# Altium PCB cat.PcbDoc (part 2 of 3)
Units mm, origin at the board's own origin, x right, y up, seen from the top; angles counter-clockwise.
Board outline 65 x 116 mm, 4 copper layers (Top Layer, Layer 2, Layer 3, Bottom Layer), stack 1.518 mm thick; 236 components, 164 nets, 890 pads, 231 vias.
Unrouted connection lines stored in the file: 330.
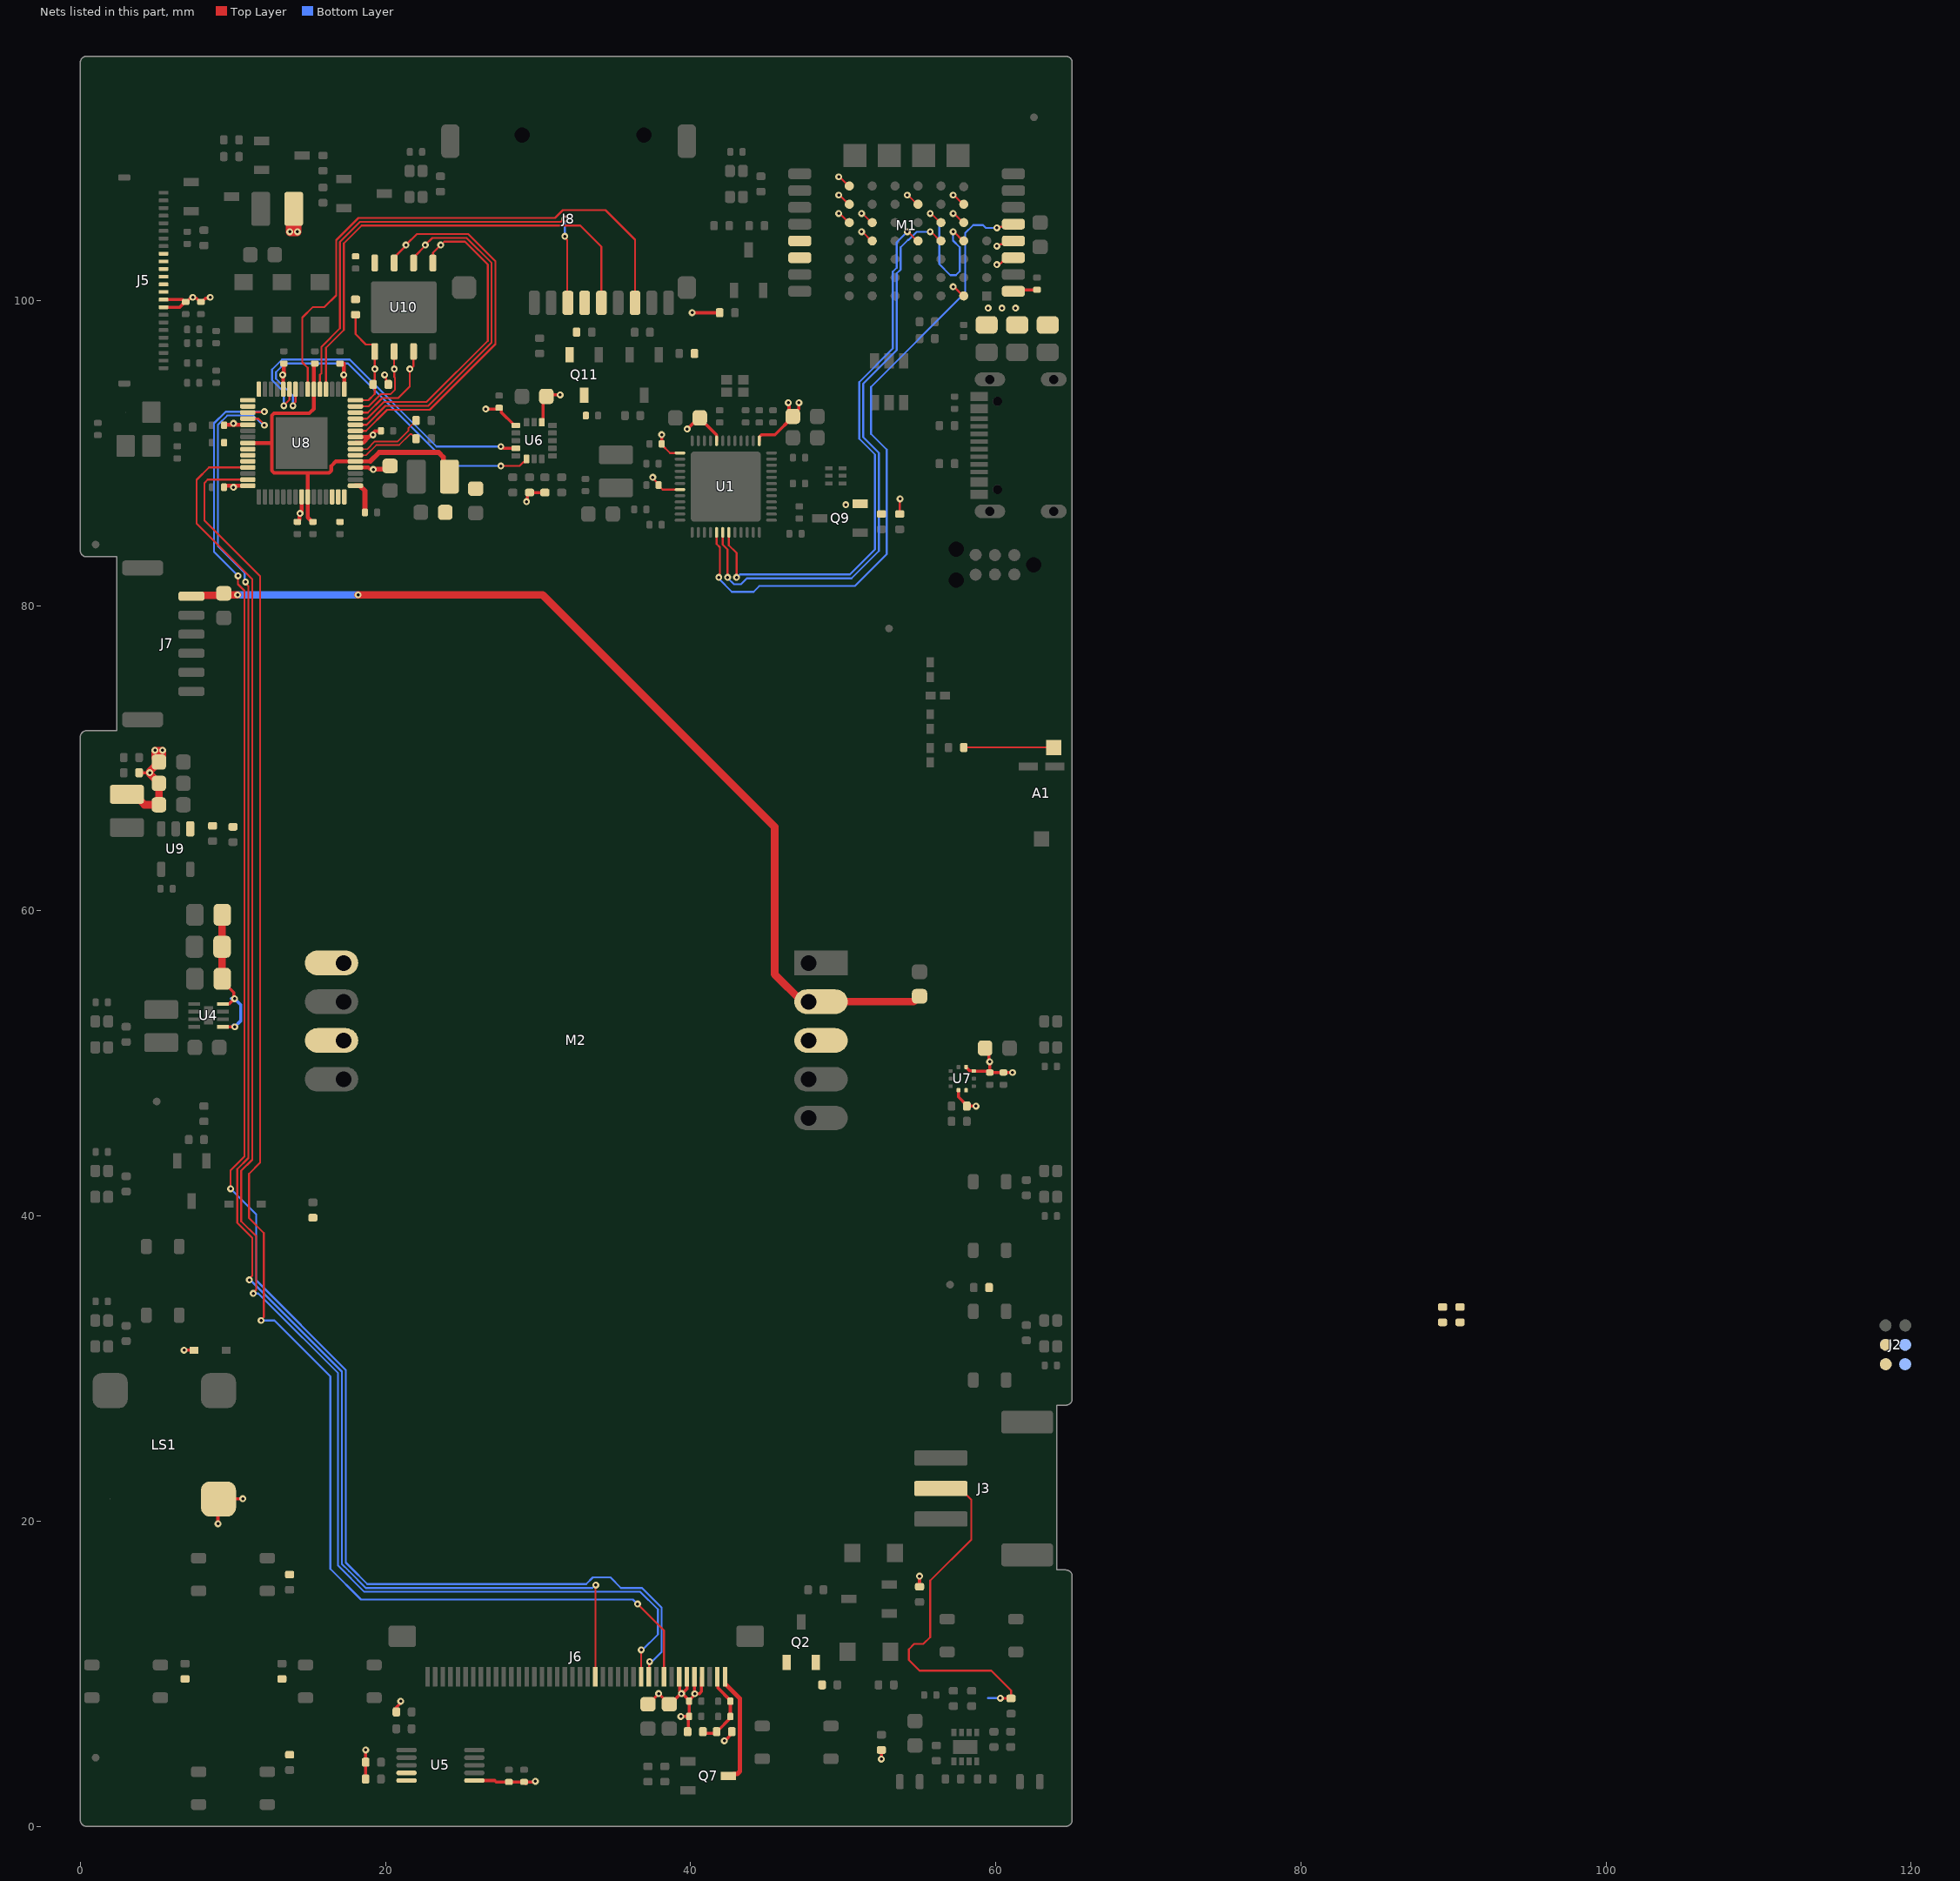
[diagram p4: the nets of this part, all layers, seen from the top]

## Part data (continued)
C1 C68: "27 pF, 25 V, X7R, 0402 Chip capacitor", Case Code (Imperial)=0402, Case Code (Metric)=1005, Dielectric=C0G, Manufacturer=Yageo, Max Operating Temperature=125°C, Min Operating Temperature=-55°C, Package Quantity=1, Supplier Part Number 1=9741513, Tolerance=5%, Voltage Rating=50V, Case/Package=0402, Category="Ceramic Capacitors", ComponentLink1Description=https://datasheet.ciiva.com/26862/getdatasheetpartid-403452-26862597.pdf?src-supplier=Verical, ComponentLink1URL=https://datasheet.ciiva.com/26862/getdatasheetpartid-403452-26862597.pdf?src-supplier=Verical, ComponentLink2Description=https://datasheet.ciiva.com/28450/1443161-28450249.pdf?src-supplier=Element14, ComponentLink2URL=https://datasheet.ciiva.com/28450/1443161-28450249.pdf?src-supplier=Element14, ComponentLink3Description=https://datasheet.ciiva.com/176/mlccorderingcode-176355.pdf?src-supplier=Digikey, ComponentLink3URL=https://datasheet.ciiva.com/176/mlccorderingcode-176355.pdf?src-supplier=Digikey, ComponentLink4Description=https://datasheet.ciiva.com/176/mlccorderingcode-176354.pdf?src-supplier=Digikey, ComponentLink4URL=https://datasheet.ciiva.com/176/mlccorderingcode-176354.pdf?src-supplier=Digikey, ComponentLink5Description=https://datasheet.ciiva.com/176/mlccorderingcode-176356.pdf?src-supplier=Digikey, ComponentLink5URL=https://datasheet.ciiva.com/176/mlccorderingcode-176356.pdf?src-supplier=Digikey, ComponentLink6Description=https://datasheet.ciiva.com/13386/upy-gp-np0-16v-to-50v-8-13386281.pdf?src-supplier=Mouser, ComponentLink6URL=https://datasheet.ciiva.com/13386/upy-gp-np0-16v-to-50v-8-13386281.pdf?src-supplier=Mouser, Depth=0.5mm, house_part_number=C-27pF-0402-002, Lead Free="Lead Free", Length=1mm, Manufacturer Part Number=CC0402JRNPO9BN270, Mounting Technology="Surface Mount", Packaging="Tape and Reel", Pins=2, Pricing="10000=0.0024, 40000=0.0022, 150000=0.0021, 400000=0.002, 1000000=0.0019 (USD)", Radiation Hardening=No, Reach SVHC Compliant=No, RoHS=Yes, RoHS Compliant=Yes, Series=CC, Stock=1230000, Supplier 1="Future Electronics", Termination=SMD/SMT, Thickness=0.022inch, Voltage Rating (DC)=50V, Width=0.02inch
C2 C4: "100 nF, 25 V, X7R, 0402 Chip capacitor", Capacitance=100nF, Case Code (Imperial)=0402, Case Code (Metric)=1005, Dielectric=X7R, Dielectric Material=Ceramic, Manufacturer=Murata, Max Operating Temperature=125°C, Min Operating Temperature=-55°C, Package Quantity=10000, Supplier Part Number 1=490-10698-1-ND, Tolerance=10%, Voltage Rating=25V, Case/Package=0402, Category="Ceramic Capacitors", ComponentLink1Description=http://www.farnell.com/datasheets/1872206.pdf?src-supplier=Farnell, ComponentLink1URL=http://www.farnell.com/datasheets/1872206.pdf?src-supplier=Farnell, ComponentLink2Description=http://components.arrow.com/part/dataview/0323_06361249?src-supplier=Arrow+Europe, ComponentLink2URL=http://components.arrow.com/part/dataview/0323_06361249?src-supplier=Arrow+Europe, ComponentLink3Description=http://uk.rs-online.com/webdocs/144c/0900766b8144c113.pdf?src-supplier=RSComponents, ComponentLink3URL=http://uk.rs-online.com/webdocs/144c/0900766b8144c113.pdf?src-supplier=RSComponents, ComponentLink4Description=http://www.farnell.com/datasheets/2048008.pdf?src-supplier=Farnell, ComponentLink4URL=http://www.farnell.com/datasheets/2048008.pdf?src-supplier=Farnell, ComponentLink5Description=http://www.mouser.com/ds/2/281/c02e-2905.pdf?src-supplier=Mouser, ComponentLink5URL=http://www.mouser.com/ds/2/281/c02e-2905.pdf?src-supplier=Mouser, ComponentLink6Description=http://www.farnell.com/datasheets/2048008.pdf?src-supplier=Newark, ComponentLink6URL=http://www.farnell.com/datasheets/2048008.pdf?src-supplier=Newark, ComponentLink7Description=https://search.murata.co.jp/Ceramy/image/img/A01X/G101/ENG/GRM155R71E104KE14-01.pdf?src-supplier=Digi-Key, ComponentLink7URL=https://search.murata.co.jp/Ceramy/image/img/A01X/G101/ENG/GRM155R71E104KE14-01.pdf?src-supplier=Digi-Key, ComponentLink8Description=http://www.farnell.com/datasheets/2048008.pdf?src-supplier=Element14, ComponentLink8URL=http://www.farnell.com/datasheets/2048008.pdf?src-supplier=Element14, ComponentLink9Description=http://psearch.en.murata.com/capacitor/product/GRM155R71E104KE14%23.pdf?src-supplier=Avnet, ComponentLink9URL=http://psearch.en.murata.com/capacitor/product/GRM155R71E104KE14%23.pdf?src-supplier=Avnet, Depth=0.5mm, Height=0.5mm, house_part_number=C-100nF-0402-002, Lead Free="Lead Free", Length=1mm, Manufacturer Part Number=GRM155R71E104KE14D, Mount="Surface Mount", Packaging="Tape and Reel", Pricing 1="1=0.10000, 10=0.02700, 50=0.01460, 100=0.01190, 500=0.00848, 1000=0.00666, 2500=0.00605, 5000=0.00557 (USD)", REACH SVHC=Unknown, Resistor Type=Ceramic, RoHS=Yes, RoHS Compliant=Yes, Supplier 1=Digi-Key, Termination=SMD/SMT, Thickness=0.022inch, Voltage Rating (DC)=25V, Weight=0.000212oz, Width=0.02inch
C3 C6 C7 C65 C66 C67: "22 μF, 25 V, X5R, 0805 Chip capacitor", Capacitor Type=Ceramic, Case/Package=0805, Manufacturer=Murata, Max Operating Temperature=85°C, Min Operating Temperature=-55°C, Package Shape=Rectangular, Rated DC Voltage (URdc)=25V, Supplier Part Number 1=490-12389-1-ND, Temperature Characteristics Code=X5R, Tolerance  (fill in as +-)=20%, Category="Ceramic Capacitors", ComponentLink1Description=https://datasheet.ciiva.com:443/pdfs/VipMasterIC/IC/MURE/MURE-S-A0004410517/MURE-S-A0004413512-1.pdf?src-supplier=IHS+Markit, ComponentLink1URL=https://datasheet.ciiva.com:443/pdfs/VipMasterIC/IC/MURE/MURE-S-A0004410517/MURE-S-A0004413512-1.pdf?src-supplier=IHS+Markit, ComponentLink2Description=http://search.murata.co.jp/Ceramy/image/img/A01X/G101/ENG/GRT21BR61E226ME13-01.pdf?src-supplier=Digi-Key, ComponentLink2URL=http://search.murata.co.jp/Ceramy/image/img/A01X/G101/ENG/GRT21BR61E226ME13-01.pdf?src-supplier=Digi-Key, Dielectric Material=Ceramic, JESD-609 Code=e3, Manufacturer Part Number=GRT21BR61E226ME13L, Mounting Technology="Surface Mount", Multilayer=Yes, Packaging="Tape and Reel", Pins=2, Pricing 1="1=0.48, 10=0.338, 50=0.2558, 100=0.2228, 500=0.16508, 1000=0.14031 (USD)", Reach SVHC Compliant=Yes, Reference Standard=AEC-Q200, RoHS=Yes, RoHS Compliant=Yes, Stock 1=1983731, Supplier 1=Digi-Key, Terminal Finish=Nickel, Termination=Wraparound, Tolerance (fill in as +-)=20%
C5 C11 C25 C26 C40 C41 C42 C44 C45 C69 C70 C72 C81 C84: "10 µF, 25 V, X5R, 0603 Chip capacitor", Case Code (Imperial)=0603, Case Code (Metric)=1608, Manufacturer=Samsung, Max Operating Temperature=85°C, Min Operating Temperature=-55°C, Tolerance=20%, Voltage Rating=25V, Case/Package=0603, Category="Ceramic Capacitors", ComponentLink1Description=https://datasheet.ciiva.com/25766/cl10a106ma8nrnc-25766562.pdf?src-supplier=Digikey, ComponentLink1URL=https://datasheet.ciiva.com/25766/cl10a106ma8nrnc-25766562.pdf?src-supplier=Digikey, Height=900um, house_part_number=C-10uF-0603-002, Lead Free="Lead Free", Manufacturer Part Number=CL10A106MA8NRNC, Material=4241ConductorMaterial, Mounting Technology="Surface Mount", Packaging="Cut Tape", Pricing="4000=0.0511, 8000=0.046, 12000=0.0434, 28000=0.0413, 100000=0.0356 (USD)", RoHS=Yes, RoHS Compliant=Yes, Series=CL, Stock=632000, Supplier 1="Arrow Electronics", Supplier Part Number 1=CL10A106MA8NRNC
C8 C15 C49 C50 C63 C64: "4.7 μF, 25 V, X7R, 0603 Chip capacitor", Case Code (Imperial)=0603, Case Code (Metric)=1608, Dielectric=X5R, Dielectric Material=Ceramic, Manufacturer=TDK, Max Operating Temperature=85°C, Min Operating Temperature=-55°C, Package Quantity=4000, Supplier Part Number=445-9050-1-ND, Tolerance=10%, Voltage Rating=25V, Case/Package=0603, Category="Ceramic Capacitors", ComponentLink1Description=https://datasheet.ciiva.com/48671/mlcc-commercial-general-en-48671304.pdf?src-supplier=Avnet, ComponentLink1URL=https://datasheet.ciiva.com/48671/mlcc-commercial-general-en-48671304.pdf?src-supplier=Avnet, ComponentLink2Description=https://datasheet.ciiva.com/24216/mlcc-commercial-general-en-24216326.pdf?src-supplier=Mouser, ComponentLink2URL=https://datasheet.ciiva.com/24216/mlcc-commercial-general-en-24216326.pdf?src-supplier=Mouser, ComponentLink3Description=https://datasheet.ciiva.com/48587/6print-detail-pdf-phplangenpart-noc1608x5r1e475k080acimp-unit-xmhz-48587141.pdf?src-supplier=Onlinecomponents.com, ComponentLink3URL=https://datasheet.ciiva.com/48587/6print-detail-pdf-phplangenpart-noc1608x5r1e475k080acimp-unit-xmhz-48587141.pdf?src-supplier=Onlinecomponents.com, Construction=Flat, Depth=0.8mm, Height=0.8mm, Lead Free="Lead Free", Length=1.6mm, Manufacturer Part Number=C1608X5R1E475K080AC, Material=Ceramic, Mounting Technology="Surface Mount", Packaging="Tape and Reel", Pricing="1=0.16, 10=0.104, 50=0.0732, 100=0.0592, 500=0.04396, 1000=0.03847, 4000=0.03389, 8000=0.03225 (USD)", Reach SVHC Compliant=Unknown, RoHS=Yes, RoHS Compliant=Yes, Series=C, Stock=1983872, Supplier=Digikey, Termination=SMD/SMT, Thickness=0.039inch, Voltage Rating (DC)=25V, Weight=7.1E-05oz, Width=0.031inch
C9 C54: "470 nF, 10 V, X7S, 0402 Chip capacitor", Capacitance=470nF, Case/Package=0402, Manufacturer=Samsung, Supplier Part Number=1276-CL05Y474KP5VPJCCT-ND, Voltage Rating=10V, Category="Ceramic Capacitors", Manufacturer Part Number=CL05Y474KP5VPJC, Pricing="1=0.23, 10=0.15, 50=0.105, 100=0.0848, 500=0.06298, 1000=0.0551, 2500=0.05248, 5000=0.04854 (USD)", RoHS=No, Stock=27105, Supplier=Digikey
C10 C16 C24 C27 C28 C29 C30 C31 C32 C34 C35 C36 C37 C38 C39 C43 C46 C47 C61 C62 C71 C73 C74 C75 C76 C77 C78 C79 C80 C82 C83 C85 C86: "100 nF, 25 V, X7R, 0402 Chip capacitor", Capacitance=100nF, Case Code (Imperial)=0402, Case Code (Metric)=1005, Dielectric=X7R, Dielectric Material=Ceramic, Manufacturer=Murata, Max Operating Temperature=125°C, Min Operating Temperature=-55°C, Package Quantity=10000, Supplier Part Number 1=490-10698-1-ND, Tolerance=10%, Voltage=25V, Case/Package=0402, Category="Ceramic Capacitors", ComponentLink1Description=http://www.farnell.com/datasheets/1872206.pdf?src-supplier=Farnell, ComponentLink1URL=http://www.farnell.com/datasheets/1872206.pdf?src-supplier=Farnell, ComponentLink2Description=http://components.arrow.com/part/dataview/0323_06361249?src-supplier=Arrow+Europe, ComponentLink2URL=http://components.arrow.com/part/dataview/0323_06361249?src-supplier=Arrow+Europe, ComponentLink3Description=http://uk.rs-online.com/webdocs/144c/0900766b8144c113.pdf?src-supplier=RSComponents, ComponentLink3URL=http://uk.rs-online.com/webdocs/144c/0900766b8144c113.pdf?src-supplier=RSComponents, ComponentLink4Description=http://www.farnell.com/datasheets/2048008.pdf?src-supplier=Farnell, ComponentLink4URL=http://www.farnell.com/datasheets/2048008.pdf?src-supplier=Farnell, ComponentLink5Description=http://www.mouser.com/ds/2/281/c02e-2905.pdf?src-supplier=Mouser, ComponentLink5URL=http://www.mouser.com/ds/2/281/c02e-2905.pdf?src-supplier=Mouser, ComponentLink6Description=http://www.farnell.com/datasheets/2048008.pdf?src-supplier=Newark, ComponentLink6URL=http://www.farnell.com/datasheets/2048008.pdf?src-supplier=Newark, ComponentLink7Description=https://search.murata.co.jp/Ceramy/image/img/A01X/G101/ENG/GRM155R71E104KE14-01.pdf?src-supplier=Digi-Key, ComponentLink7URL=https://search.murata.co.jp/Ceramy/image/img/A01X/G101/ENG/GRM155R71E104KE14-01.pdf?src-supplier=Digi-Key, ComponentLink8Description=http://www.farnell.com/datasheets/2048008.pdf?src-supplier=Element14, ComponentLink8URL=http://www.farnell.com/datasheets/2048008.pdf?src-supplier=Element14, ComponentLink9Description=http://psearch.en.murata.com/capacitor/product/GRM155R71E104KE14%23.pdf?src-supplier=Avnet, ComponentLink9URL=http://psearch.en.murata.com/capacitor/product/GRM155R71E104KE14%23.pdf?src-supplier=Avnet, Depth=0.5mm, Height=0.5mm, house_part_number=C-100nF-0402-002, Lead Free="Lead Free", Length=1mm, Manufacturer Part Number=GRM155R71E104KE14D, Mount="Surface Mount", Packaging="Tape and Reel", Pricing 1="1=0.10000, 10=0.02700, 50=0.01460, 100=0.01190, 500=0.00848, 1000=0.00666, 2500=0.00605, 5000=0.00557 (USD)", REACH SVHC=Unknown, Resistor Type=Ceramic, RoHS=Yes, RoHS Compliant=Yes, Supplier 1=Digi-Key, Termination=SMD/SMT, Thickness=0.022inch, Voltage Rating=25V, Voltage Rating (DC)=25V, Weight=0.000212oz, Width=0.02inch
C12 C33: "4.7 µF, 10 V, X5R, 0402 Chip capacitor", Case Code (Imperial)=0402, Case Code (Metric)=1005, Dielectric=X5R, Manufacturer=Samsung, Max Operating Temperature=85°C, Min Operating Temperature=-55°C, Package Quantity=1, Supplier Part Number 1=1276-1480-1-ND, Tolerance=10%, Voltage Rating=10V, Case/Package=0402, Category="Ceramic Capacitors", ComponentLink1Description=https://datasheet.ciiva.com/25724/cl05a475kp5nrnc-25724404.pdf?src-supplier=Digikey, ComponentLink1URL=https://datasheet.ciiva.com/25724/cl05a475kp5nrnc-25724404.pdf?src-supplier=Digikey, ComponentLink2Description=https://datasheet.ciiva.com/29198/458873-da-01-en-vs-kondensator-0402-29198304.pdf?src-supplier=Conrad, ComponentLink2URL=https://datasheet.ciiva.com/29198/458873-da-01-en-vs-kondensator-0402-29198304.pdf?src-supplier=Conrad, Construction=Flat, Depth=0.5mm, Height=0.5mm, house_part_number=C-4.7uF-0402-002, Lead Free="Lead Free", Length=1mm, Manufacturer Part Number=CL05A475KP5NRNC, Material=Ceramic, Mounting Technology="Surface Mount", Packaging="Tape and Reel", Pricing="1=0.28, 10=0.184, 50=0.129, 100=0.1042, 500=0.0774, 1000=0.06772, 2500=0.0645, 5000=0.05966 (USD)", Radiation Hardening=No, RoHS=Yes, RoHS Compliant=Yes, Series=CL, Stock=606274, Supplier 1=Digikey, Thickness=0.022inch, Width=0.02inch
C13 C14 C17 C18 C19 C20 C21 C22 C23 C48 C56 C58: "1 µF, 25 V, X5R, 0402 Chip capacitor", Capacitance=1µF, Capacitor Type=Ceramic, Manufacturer=Murata, Max Operating Temperature=85°C, Min Operating Temperature=-55°C, Negative Tolerance=10%, Package Shape=Rectangular, Package Style=SMTMeter, Supplier Part Number 1=490-10017-1-ND, Temperature Characteristics Code=X5R, Voltage=25V, Category="Ceramic Capacitors", ComponentLink1Description=https://datasheet.ciiva.com:443/pdfs/VipMasterIC/IC/MURE/MURE-S-A0004362469/MURE-S-A0004364524-1.pdf?src-supplier=IHS+Markit, ComponentLink1URL=https://datasheet.ciiva.com:443/pdfs/VipMasterIC/IC/MURE/MURE-S-A0004362469/MURE-S-A0004364524-1.pdf?src-supplier=IHS+Markit, ComponentLink2Description=https://datasheet.ciiva.com/7719/1666664-7719006.pdf?src-supplier=Element14, ComponentLink2URL=https://datasheet.ciiva.com/7719/1666664-7719006.pdf?src-supplier=Element14, ComponentLink3Description=https://datasheet.ciiva.com/22732/1666664-22732122.pdf?src-supplier=Element14, ComponentLink3URL=https://datasheet.ciiva.com/22732/1666664-22732122.pdf?src-supplier=Element14, Dielectric Material=Ceramic, Height=0.5mm, house_part_number=C-1uF-0402-002, JESD-609 Code=e3, Length=1mm, Manufacturer Part Number=GRM155R61E105KA12D, Mount="Surface Mount", Multilayer=Yes, Number of Pins=2, Packaging="Tape and Reel", Positive Tolerance=10%, Pricing 1="1=0.11000, 10=0.08300, 50=0.04560, 100=0.03720, 500=0.02656, 1000=0.02087, 2500=0.01898, 5000=0.01746 (USD)", REACH SVHC=Yes, RoHS=Yes, RoHS Compliant=Yes, Size Code=0402, Stock 1=145965, Supplier 1=Digi-Key, Terminal Finish=Nickel, Termination=Wraparound, Width=0.5mm
C51: "220 nF, 16 V, X7R, 0402 Chip capacitor", Case Code (Imperial)=0402, Case Code (Metric)=1005, Dielectric=X7R, Manufacturer=Murata, Max Operating Temperature=125°C, Min Operating Temperature=-55°C, Package Quantity=10000, Ratings=AEC-Q200, Supplier Part Number=7050660, Tolerance=10%, Voltage Rating=16V, Case/Package=0402, Category="Ceramic Capacitors", ComponentLink1Description=http://www.mouser.com/ds/2/281/c03e-806517.pdf?src-supplier=Mouser, ComponentLink1URL=http://www.mouser.com/ds/2/281/c03e-806517.pdf?src-supplier=Mouser, ComponentLink2Description=http://search.murata.co.jp/Ceramy/image/img/A01X/partnumbering_e_02.pdf?src-supplier=Digikey, ComponentLink2URL=http://search.murata.co.jp/Ceramy/image/img/A01X/partnumbering_e_02.pdf?src-supplier=Digikey, ComponentLink3Description=https://datasheet.octopart.com/GCM155R71C224KE02D-Murata-datasheet-32042419.pdf?src-supplier=Future+Electronics, ComponentLink3URL=https://datasheet.octopart.com/GCM155R71C224KE02D-Murata-datasheet-32042419.pdf?src-supplier=Future+Electronics, ComponentLink4Description=https://datasheet.octopart.com/GCM155R71C224KE02D-Murata-datasheet-149522429.pdf?src-supplier=Newark, ComponentLink4URL=https://datasheet.octopart.com/GCM155R71C224KE02D-Murata-datasheet-149522429.pdf?src-supplier=Newark, ComponentLink5Description=https://datasheet.octopart.com/GCM155R71C224KE02D-Murata-datasheet-12511495.pdf?src-supplier=TME, ComponentLink5URL=https://datasheet.octopart.com/GCM155R71C224KE02D-Murata-datasheet-12511495.pdf?src-supplier=TME, Height=0.5mm, Lead Free="Lead Free", Length=0.039inch, Manufacturer Part Number=GCM155R71C224KE02D, Material=Ceramic, Mounting Technology="Surface Mount", Packaging="Tape and Reel", Pricing="10000=0.0082, 30000=0.0079, 50000=0.0078, 150000=0.0076, 250000=0.0074 (USD)", RoHS=Yes, RoHS Compliant=Yes, Series=GCM, Stock=80000, Supplier="Future Electronics", Termination=SMD/SMT, Thickness=0.022inch, Voltage Rating (DC)=16V, Weight=0.000212oz, Width=0.02inch
C52 C53 C55 C60: "2.2 µF, 16 V, X7T, 0402 Chip capacitor", Case/Package=0402, Dielectric=X7T, Manufacturer=Murata, Max Operating Temperature=125°C, Min Operating Temperature=-55°C, Supplier Part Number=9135167, Tolerance=20%, Voltage Rating=16V, Category="Ceramic Capacitors", ComponentLink1Description=https://datasheet.octopart.com/GRM155D71C225ME11D-Murata-datasheet-165579666.pdf?src-supplier=TME, ComponentLink1URL=https://datasheet.octopart.com/GRM155D71C225ME11D-Murata-datasheet-165579666.pdf?src-supplier=TME, Height=650um, Length=1mm, Manufacturer Part Number=GRM155D71C225ME11D, Material=Ceramic, Pricing="10000=0.0274, 20000=0.027, 30000=0.0267, 40000=0.0266, 50000=0.026 (USD)", RoHS=Yes, RoHS Compliant=Yes, Stock=10000, Supplier="Future Electronics", Thickness=500um, Voltage Rating (DC)=16V, Width=500um
C57: "22 nF, 16 V, X7R, 0402 Chip capacitor", Case Code (Imperial)=0402, Case Code (Metric)=1005, Dielectric=X7R, Manufacturer=KEMET, Max Operating Temperature=125°C, Min Operating Temperature=-55°C, Ratings=AEC-Q200, Supplier Part Number=80-C0402C223K4RECAUT, Tolerance=10%, Voltage Rating=16V, Case/Package=0402, Category="Ceramic Capacitors", ComponentLink1Description=https://api.kemet.com/component-edge/download/datasheet/C0402C223K4RECAUTO.pdf?src-supplier=Digikey, ComponentLink1URL=https://api.kemet.com/component-edge/download/datasheet/C0402C223K4RECAUTO.pdf?src-supplier=Digikey, ComponentLink2Description=https://datasheet.octopart.com/C0402C223K4RECAUTO-KEMET-datasheet-153706760.pdf?src-supplier=Electro+Sonic, ComponentLink2URL=https://datasheet.octopart.com/C0402C223K4RECAUTO-KEMET-datasheet-153706760.pdf?src-supplier=Electro+Sonic, Manufacturer Part Number=C0402C223K4RECAUTO, Mounting Technology="Surface Mount", Packaging="Cut Tape", Pricing="1=0.13, 10=0.054, 50=0.054, 100=0.031, 1000=0.027, 10000=0.023 (USD)", RoHS=Yes, RoHS Compliant=Yes, Series=C, Stock=25248, Supplier=Mouser, Voltage Rating (DC)=16V
C59: "10 nF, 25 V, X7R, 0402 Chip capacitor", Capacitance=10nF, Case Code (Imperial)=0402, Case Code (Metric)=1005, Dielectric=X7R, Manufacturer=Samsung, Max Operating Temperature=125°C, Min Operating Temperature=-55°C, Package Quantity=1, Supplier Part Number 1=1276-1057-2-ND, Tolerance=10%, Voltage Rating=25V, Case/Package=0402, Category="Ceramic Capacitors", ComponentLink1Description=https://datasheet.ciiva.com/15195/getdatasheetpartid-358612-15195635.pdf?src-supplier=Verical, ComponentLink1URL=https://datasheet.ciiva.com/15195/getdatasheetpartid-358612-15195635.pdf?src-supplier=Verical, ComponentLink2Description=https://datasheet.ciiva.com/16740/cl05b104kq5nnnc-16740683.pdf?src-supplier=Future+Electronics, ComponentLink2URL=https://datasheet.ciiva.com/16740/cl05b104kq5nnnc-16740683.pdf?src-supplier=Future+Electronics, Construction=Flat, Contact Plating=Tin, Depth=0.5mm, Height=0.5mm, house_part_number=C-10nF-0402-002, Length=1mm, Manufacturer Part Number=CL05B103KA5NNNC, Mount="Surface Mount", Packaging="Tape and Reel", Pricing 1="10000=0.00328, 20000=0.00312, 30000=0.00297, 50000=0.00266, 100000=0.00215, 250000=0.00195 (USD)", Radiation Hardening=No, RoHS=Yes, RoHS Compliant=Yes, Series=CL, Stock 1=2318300, Supplier 1=Digi-Key, Thickness=0.022inch, Width=0.02inch
D1 D9: "1.25 V, 100 V max, 150 mA, 4 ns diode, SOD-323", Forward Voltage=1.25V, Manufacturer=Nexperia, Max Operating Temperature=150°C, Max Output Current=250mA, Max Power Dissipation=400mW, Max Reverse Current=1uA, Non-rep Pk Forward Current-Max=4A, Package=SOD-323, Package Body Material=Plastic, Package Shape=Rectangular, Package Style="SMALL OUTLINEMeter", Peak Reflow Temperature (Cel)=260°C, Rep Pk Reverse Voltage-Max=85V, Supplier Part Number 1=C109218, Time @ Peak Reflow Temperature-Max (s)=40s, Category="Rectifier Diodes", ComponentLink1Description=https://datasheet.ciiva.com:443/pdfs/VipMasterIC/IC/PHGL/PHGL-S-A0000133609/PHGL-S-A0000133609-1.pdf?src-supplier=IHS+Markit, ComponentLink1URL=https://datasheet.ciiva.com:443/pdfs/VipMasterIC/IC/PHGL/PHGL-S-A0000133609/PHGL-S-A0000133609-1.pdf?src-supplier=IHS+Markit, ComponentLink2Description=http://www.farnell.com/datasheets/1856332.pdf?src-supplier=Farnell, ComponentLink2URL=http://www.farnell.com/datasheets/1856332.pdf?src-supplier=Farnell, ComponentLink3Description=https://datasheet.octopart.com/BAS316%2C115-Nexperia-datasheet-32749520.pdf?src-supplier=Element14, ComponentLink3URL=https://datasheet.octopart.com/BAS316%2C115-Nexperia-datasheet-32749520.pdf?src-supplier=Element14, ComponentLink4Description=https://datasheet.octopart.com/BAS316%2C115-Nexperia-datasheet-77871323.pdf?src-supplier=Future+Electronics, ComponentLink4URL=https://datasheet.octopart.com/BAS316%2C115-Nexperia-datasheet-77871323.pdf?src-supplier=Future+Electronics, ComponentLink5Description=https://assets.nexperia.com/documents/data-sheet/BAS16_SER.pdf?src-supplier=Digikey, ComponentLink5URL=https://assets.nexperia.com/documents/data-sheet/BAS16_SER.pdf?src-supplier=Digikey, ComponentLink6Description=http://www.farnell.com/datasheets/1856332.pdf?src-supplier=Newark, ComponentLink6URL=http://www.farnell.com/datasheets/1856332.pdf?src-supplier=Newark, ComponentLink7Description=https://datasheet.octopart.com/BAS316%2C115-NXP-datasheet-5319124.pdf?src-supplier=TME, ComponentLink7URL=https://datasheet.octopart.com/BAS316%2C115-NXP-datasheet-5319124.pdf?src-supplier=TME, Diode Element Material=SILICON, Diode Type=RECTIFIER, JESD-30 Code=R-PDSO-G2, JESD-609 Code=e3, Manufacturer Part Number=BAS316,115, Moisture Sensitivity Level=1, Number of Elements=1, Pins=2, Pricing 1="50=0.0098, 500=0.0076, 3000=0.0067, 6000=0.0058, 24000=0.0055, 51000=0.0053 (USD)", Qualification Status="Not Qualified", Reach SVHC Compliant=Yes, Reference Standard=AEC-Q101, Reverse Recovery Time-Max=0.004us, RoHS=Yes, RoHS Compliant=Yes, Stock 1=292660, Supplier 1=LCSC, Surface Mount=Yes, Terminal Finish=Tin, Terminal Form="Gull Wing", Terminal Position=DUAL
D10 D11: "40 V, 3 A Schottky Rectifier, SOD-123FA", Average Rectified Current=3A, Case/Package=SOD-123W, Manufacturer="ON Semiconductor / Fairchild", Max Forward Surge Current (Ifsm)=80A, Max Repetitive Reverse Voltage (Vrrm)=40V, Supplier Part Number=01AC9736, Supplier Part Number 1=C719833, Category="Schottky Diodes", ComponentLink1Description=http://www.farnell.com/datasheets/2552647.pdf?src-supplier=Farnell, ComponentLink1URL=http://www.farnell.com/datasheets/2552647.pdf?src-supplier=Farnell, ComponentLink2Description=http://www.mouser.com/ds/2/149/SS34FA-1012641.pdf?src-supplier=Mouser, ComponentLink2URL=http://www.mouser.com/ds/2/149/SS34FA-1012641.pdf?src-supplier=Mouser, ComponentLink3Description=http://www.farnell.com/datasheets/2552647.pdf?src-supplier=Element14, ComponentLink3URL=http://www.farnell.com/datasheets/2552647.pdf?src-supplier=Element14, ComponentLink4Description=http://www.farnell.com/datasheets/2552647.pdf?src-supplier=Newark, ComponentLink4URL=http://www.farnell.com/datasheets/2552647.pdf?src-supplier=Newark, ComponentLink5Description=https://www.fairchildsemi.com/datasheets/SS/SS34FA.pdf?src-supplier=Digikey, ComponentLink5URL=https://www.fairchildsemi.com/datasheets/SS/SS34FA.pdf?src-supplier=Digikey, ComponentLink6Description=https://www.onsemi.com/pub/Collateral/SS36FA-D.PDF?src-supplier=Digikey, ComponentLink6URL=https://www.onsemi.com/pub/Collateral/SS36FA-D.PDF?src-supplier=Digikey, ComponentLink7Description=https://datasheet.octopart.com/SS34FA-ON-Semiconductor-datasheet-137713515.pdf?src-supplier=TME, ComponentLink7URL=https://datasheet.octopart.com/SS34FA-ON-Semiconductor-datasheet-137713515.pdf?src-supplier=TME, Element Configuration=Single, house_part_number=D-SCHOTTKY-3A-SOD123F-002, Manufacturer Part Number=SS34FA, Max Reverse Voltage (DC)=40V, Mounting Technology="Surface Mount", Packaging="Cut Tape", Pricing="1=0.469, 25=0.4, 50=0.341, 100=0.281, 250=0.251 (USD)", RoHS=Yes, RoHS Compliant=Yes, Series="Automotive, AEC-Q101", Stock=2402, Supplier=Avnet, Supplier 1=LCSC, Weight=0.019g
D12 D13 D14: library part SS2040FL_R1_00001, "Schottky-diode 2A 40V SOD123FL", Case/Package=SOD-123FL, Manufacturer="Pan Jit", Max Operating Temperature=125°C, Max Repetitive Reverse Voltage (Vrrm)=40V, Max Reverse Current=500uA, Min Operating Temperature=-50°C, Peak Non-Repetitive Surge Current=50A, Supplier Part Number=241-SS2040FLR100001, Category="Rectifier Diodes", ComponentLink1Description=http://www.panjit.com/upload/product/5/SS2020FL_SERIES.pdf?src-supplier=Avnet, ComponentLink1URL=http://www.panjit.com/upload/product/5/SS2020FL_SERIES.pdf?src-supplier=Avnet, Manufacturer Part Number=SS2040FL_R1_00001, Mounting Technology="Surface Mount", Pins=2, Pricing="1=0.19, 10=0.117, 50=0.117, 100=0.061, 1000=0.06, 10000=0.059 (USD)", RoHS=Yes, RoHS Compliant=Yes, Stock=196343, Supplier=Mouser
FID1 FID2 FID3 FID4 FID5 FID6: "0.5mm diameter round fiducial", house_part_number=Disc-0.5
J1 J2: library part TAG_CONN_CTX, "Mates with TC-2030-CTX-NL", house_part_number=type-value-case-grade
J3: library part S3B-PH-SM4-TB(LF)(SN), "3-Pin JST-PH connector, 2mm pitch, right-angle SMD", Color=Natural,White, Contact Resistance=10mR, Current Rating=2A, Flammability Rating="UL94 V-0", Housing Color=Beige, Insulation Color=Natural, Insulation Resistance=1GR, Manufacturer=JST, Max Operating Temperature=85°C, Max Voltage Rating (AC)=100V, Min Operating Temperature=-25°C, Supplier Part Number 1=C265101, Category="Headers and Wire Housings", ComponentLink1Description=https://datasheet.ciiva.com/11748/0900766b80df0d9d-11748720.pdf?src-supplier=Rs, ComponentLink1URL=https://datasheet.ciiva.com/11748/0900766b80df0d9d-11748720.pdf?src-supplier=Rs, ComponentLink2Description=https://datasheet.ciiva.com/712/eph-712555.pdf?src-supplier=Digikey, ComponentLink2URL=https://datasheet.ciiva.com/712/eph-712555.pdf?src-supplier=Digikey, ComponentLink3Description=https://datasheet.ciiva.com/712/eph-712554.pdf?src-supplier=Digikey, ComponentLink3URL=https://datasheet.ciiva.com/712/eph-712554.pdf?src-supplier=Digikey, ComponentLink4Description=https://datasheet.ciiva.com/712/eph-712556.pdf?src-supplier=Digikey, ComponentLink4URL=https://datasheet.ciiva.com/712/eph-712556.pdf?src-supplier=Digikey, ComponentLink5Description=https://datasheet.ciiva.com/8052/80594-8052219.pdf?src-supplier=Element14, ComponentLink5URL=https://datasheet.ciiva.com/8052/80594-8052219.pdf?src-supplier=Element14, ComponentLink6Description=https://datasheet.ciiva.com/22693/80594-22693485.pdf?src-supplier=Element14, ComponentLink6URL=https://datasheet.ciiva.com/22693/80594-22693485.pdf?src-supplier=Element14, Connector Type=Header, Contact Finish - Mating=TIN, Contact Material="Copper Alloy,Tin,Bronze,Brass", Contact Mating Length=0.13inch, Contact Plating=Tin,Copper, Contact Shape=Square, Contact Type="Male Pin", Depth=7.6mm, Fastening Type=Detent, Gender=Male, Height=9.4mm, house_part_number=S3B-PH-SM4-TB(LF)(SN), Housing Material=Polyamide, Insulation Material=Nylon, Lead Free=5697LeadFree, Lead Pitch=2mm, Length=9.9mm, Manufacturer Part Number=S3B-PH-SM4-TB(LF)(SN), Material=Polyamide, Max Current Rating=2A, Max Voltage Rating (DC)=100V, Mounting Technology="Surface Mount", Number of Contacts=3, Number of Poles=3, Number of Positions=3, Number of Rows=1, Orientation="Right Angle", Packaging="Tape and Reel", Pitch=2mm, Pricing 1="5=0.223, 50=0.1765, 150=0.1538, 1000=0.1202, 2000=0.1152, 5000=0.1122 (USD)", Reach SVHC Compliant=No, RoHS=Yes, Series=PH, Stock 1=30540, Supplier 1=LCSC, Termination=Solder, Voltage Rating=100V, Voltage Rating (AC)=100V, Voltage Rating (DC)=100V, Weight=28.349523g, Width=5mm, Working Voltage=100V